# Altium PCB RabbitMask.PcbDoc (part 5 of 5) (continued)
## Nets (pads, with @x,y where several pads share a name; then routed paths per layer and width w, separated by ;. In a path a pad name is that pad's centre, name@x,y a point inside that pad or via, vN(x,y) a via of type N, cw(c..) or ccw(c..) an arc to the next point about the centre after c; other vN are vias at no path point) (continued)
B_DI277: U2_276.3 U2_277.4
B_DI278: U2_277.3 U2_278.4
B_DI279: U2_278.3 U2_279.4
B_DI280: U2_279.3 U2_280.4
B_DI281: U2_280.3 U2_281.4
B_DI282: U2_281.3 U2_282.4
B_DI283: U2_282.3 U2_283.4
B_DI284: U2_283.3 U2_284.4
B_DI285: U2_284.3 U2_285.4
B_DI286: U2_285.3 U2_286.4
B_DI287: U2_286.3 U2_287.4
B_DI288: U2_287.3 U2_288.4
B_DI289: U2_288.3 U2_289.4
B_DI290: U2_289.3 U2_290.4
B_DI291: U2_290.3 U2_291.4
B_DI292: U2_291.3 U2_292.4
B_DI293: U2_292.3 U2_293.4
B_DI294: U2_293.3 U2_294.4
B_DI295: U2_294.3 U2_295.4
B_DI296: U2_295.3 U2_296.4
B_DI297: U2_296.3 U2_297.4
B_DI298: U2_297.3 U2_298.4
B_DI299: U2_298.3 U2_299.4
B_DO299: U2_299.3
CI1: U1_1.5
CI2: U1_1.2 U1_2.5
CI3: U1_2.2 U1_3.5
CI4: U1_3.2 U1_4.5
CI5: U1_4.2 U1_5.5
CI6: U1_5.2 U1_6.5
CI7: U1_6.2 U1_7.5
CI8: U1_7.2 U1_8.5
CI9: U1_8.2 U1_9.5
CI10: U1_9.2 U1_10.5
CI11: U1_10.2 U1_11.5
CI12: U1_11.2 U1_12.5
CI13: U1_12.2 U1_13.5
CI14: U1_13.2 U1_14.5
CI15: U1_14.2 U1_15.5
CI16: U1_15.2 U1_16.5
CI17: U1_16.2 U1_17.5
CI18: U1_17.2 U1_18.5
CI19: U1_18.2 U1_19.5
CI20: U1_19.2 U1_20.5
CI21: U1_20.2 U1_21.5
CI22: U1_21.2 U1_22.5
CI23: U1_22.2 U1_23.5
CI24: U1_23.2 U1_24.5
CI25: U1_24.2 U1_25.5
CI26: U1_25.2 U1_26.5
CI27: U1_26.2 U1_27.5
CI28: U1_27.2 U1_28.5
CI29: U1_28.2 U1_29.5
CI30: U1_29.2 U1_30.5
CI31: U1_30.2 U1_31.5
CI32: U1_31.2 U1_32.5
CI33: U1_32.2 U1_33.5
CI34: U1_33.2 U1_34.5
CI35: U1_34.2 U1_35.5
CI36: U1_35.2 U1_36.5
CI37: U1_36.2 U1_37.5
CI38: U1_37.2 U1_38.5
CI39: U1_38.2 U1_39.5
CI40: U1_39.2 U1_40.5
CI41: U1_40.2 U1_41.5
CI42: U1_41.2 U1_42.5
CI43: U1_42.2 U1_43.5
CI44: U1_43.2 U1_44.5
CI45: U1_44.2 U1_45.5
CI46: U1_45.2 U1_46.5
CI47: U1_46.2 U1_47.5
CI48: U1_47.2 U1_48.5
CI49: U1_48.2 U1_49.5
CI50: U1_49.2 U1_50.5
CI51: U1_50.2 U1_51.5
CI52: U1_51.2 U1_52.5
CI53: U1_52.2 U1_53.5
CI54: U1_53.2 U1_54.5
CI55: U1_54.2 U1_55.5
CI56: U1_55.2 U1_56.5
CI57: U1_56.2 U1_57.5
CI58: U1_57.2 U1_58.5
CI59: U1_58.2 U1_59.5
CI60: U1_59.2 U1_60.5
CI61: U1_60.2 U1_61.5
CI62: U1_61.2 U1_62.5
CI63: U1_62.2 U1_63.5
CI64: U1_63.2 U1_64.5
CI65: U1_64.2 U1_65.5
CI66: U1_65.2 U1_66.5
CI67: U1_66.2 U1_67.5
CI68: U1_67.2 U1_68.5
CI69: U1_68.2 U1_69.5
CI70: U1_69.2 U1_70.5
CI71: U1_70.2 U1_71.5
CI72: U1_71.2 U1_72.5
CI73: U1_72.2 U1_73.5
CI74: U1_73.2 U1_74.5
CI75: U1_74.2 U1_75.5
CI76: U1_75.2 U1_76.5
CI77: U1_76.2 U1_77.5
CI78: U1_77.2 U1_78.5
CI79: U1_78.2 U1_79.5
CI80: U1_79.2 U1_80.5
CI81: U1_80.2 U1_81.5
CI82: U1_81.2 U1_82.5
CI83: U1_82.2 U1_83.5
CI84: U1_83.2 U1_84.5
CI85: U1_84.2 U1_85.5
CI86: U1_85.2 U1_86.5
CI87: U1_86.2 U1_87.5
CI88: U1_87.2 U1_88.5
CI89: U1_88.2 U1_89.5
CI90: U1_89.2 U1_90.5
CI91: U1_90.2 U1_91.5
CI92: U1_91.2 U1_92.5
CI93: U1_92.2 U1_93.5
CI94: U1_93.2 U1_94.5
CI95: U1_94.2 U1_95.5
CI96: U1_95.2 U1_96.5
CI97: U1_96.2 U1_97.5
CI98: U1_97.2 U1_98.5
CI99: U1_98.2 U1_99.5
CI100: U1_99.2 U1_100.5
CI101: U1_100.2 U1_101.5
CI102: U1_101.2 U1_102.5
CI103: U1_102.2 U1_103.5
CI104: U1_103.2 U1_104.5
CI105: U1_104.2 U1_105.5
CI106: U1_105.2 U1_106.5
CI107: U1_106.2 U1_107.5
CI108: U1_107.2 U1_108.5
CI109: U1_108.2 U1_109.5
CI110: U1_109.2 U1_110.5
CI111: U1_110.2 U1_111.5
CI112: U1_111.2 U1_112.5
CI113: U1_112.2 U1_113.5
CI114: U1_113.2 U1_114.5
CI115: U1_114.2 U1_115.5
CI116: U1_115.2 U1_116.5
CI117: U1_116.2 U1_117.5
CI118: U1_117.2 U1_118.5
CI119: U1_118.2 U1_119.5
CI120: U1_119.2 U1_120.5
CI121: U1_120.2 U1_121.5
CI122: U1_121.2 U1_122.5
CI123: U1_122.2 U1_123.5
CI124: U1_123.2 U1_124.5
CI125: U1_124.2 U1_125.5
CI126: U1_125.2 U1_126.5
CI127: U1_126.2 U1_127.5
CI128: U1_127.2 U1_128.5
CI129: U1_128.2 U1_129.5
CI130: U1_129.2 U1_130.5
CI131: U1_130.2 U1_131.5
CI132: U1_131.2 U1_132.5
CI133: U1_132.2 U1_133.5
CI134: U1_133.2 U1_134.5
CI135: U1_134.2 U1_135.5
CI136: U1_135.2 U1_136.5
CI137: U1_136.2 U1_137.5
CI138: U1_137.2 U1_138.5
CI139: U1_138.2 U1_139.5
CI140: U1_139.2 U1_140.5
CI141: U1_140.2 U1_141.5
CI142: U1_141.2 U1_142.5
CI143: U1_142.2 U1_143.5
CI144: U1_143.2 U1_144.5
CI145: U1_144.2 U1_145.5
CI146: U1_145.2 U1_146.5
CI147: U1_146.2 U1_147.5
CI148: U1_147.2 U1_148.5
CI149: U1_148.2 U1_149.5
CI150: U1_149.2 U1_150.5
CI151: U1_150.2 U1_151.5
CI152: U1_151.2 U1_152.5
CI153: U1_152.2 U1_153.5
CI154: U1_153.2 U1_154.5
CI155: U1_154.2 U1_155.5
CI156: U1_155.2 U1_156.5
CI157: U1_156.2 U1_157.5
CI158: U1_157.2 U1_158.5
CI159: U1_158.2 U1_159.5
CI160: U1_159.2 U1_160.5
CI161: U1_160.2 U1_161.5
CI162: U1_161.2 U1_162.5
CI163: U1_162.2 U1_163.5
CI164: U1_163.2 U1_164.5
CI165: U1_164.2 U1_165.5
CI166: U1_165.2 U1_166.5
CI167: U1_166.2 U1_167.5
CI168: U1_167.2 U1_168.5
CI169: U1_168.2 U1_169.5
CI170: U1_169.2 U1_170.5
CI171: U1_170.2 U1_171.5
CI172: U1_171.2 U1_172.5
CI173: U1_172.2 U1_173.5
CI174: U1_173.2 U1_174.5
CI175: U1_174.2 U1_175.5
CI176: U1_175.2 U1_176.5
CI177: U1_176.2 U1_177.5
CI178: U1_177.2 U1_178.5
CI179: U1_178.2 U1_179.5
CI180: U1_179.2 U1_180.5
CI181: U1_180.2 U1_181.5
CI182: U1_181.2 U1_182.5
CI183: U1_182.2 U1_183.5
CI184: U1_183.2 U1_184.5
CI185: U1_184.2 U1_185.5
CI186: U1_185.2 U1_186.5
CI187: U1_186.2 U1_187.5
CI188: U1_187.2 U1_188.5
CI189: U1_188.2 U1_189.5
CI190: U1_189.2 U1_190.5
CI191: U1_190.2 U1_191.5
CI192: U1_191.2 U1_192.5
CI193: U1_192.2 U1_193.5
CI194: U1_193.2 U1_194.5
CI195: U1_194.2 U1_195.5
CI196: U1_195.2 U1_196.5
CI197: U1_196.2 U1_197.5
CI198: U1_197.2 U1_198.5
CI199: U1_198.2 U1_199.5
CI200: U1_199.2 U1_200.5
CI201: U1_200.2 U1_201.5
CI202: U1_201.2 U1_202.5
CI203: U1_202.2 U1_203.5
CI204: U1_203.2 U1_204.5
CI205: U1_204.2 U1_205.5
CI206: U1_205.2 U1_206.5
CI207: U1_206.2 U1_207.5
CI208: U1_207.2 U1_208.5
CI209: U1_208.2 U1_209.5
CI210: U1_209.2 U1_210.5
CI211: U1_210.2 U1_211.5
CI212: U1_211.2 U1_212.5
CI213: U1_212.2 U1_213.5
CI214: U1_213.2 U1_214.5
CI215: U1_214.2 U1_215.5
CI216: U1_215.2 U1_216.5
CI217: U1_216.2 U1_217.5
CI218: U1_217.2 U1_218.5
CI219: U1_218.2 U1_219.5
CI220: U1_219.2 U1_220.5
CI221: U1_220.2 U1_221.5
CI222: U1_221.2 U1_222.5
CI223: U1_222.2 U1_223.5
CI224: U1_223.2 U1_224.5
CI225: U1_224.2 U1_225.5
CI226: U1_225.2 U1_226.5
CI227: U1_226.2 U1_227.5
CI228: U1_227.2 U1_228.5
CI229: U1_228.2 U1_229.5
CI230: U1_229.2 U1_230.5
CI231: U1_230.2 U1_231.5
CI232: U1_231.2 U1_232.5
CI233: U1_232.2 U1_233.5
CI234: U1_233.2 U1_234.5
CI235: U1_234.2 U1_235.5
CI236: U1_235.2 U1_236.5
CI237: U1_236.2 U1_237.5
CI238: U1_237.2 U1_238.5
CI239: U1_238.2 U1_239.5
CI240: U1_239.2 U1_240.5
CI241: U1_240.2 U1_241.5
CI242: U1_241.2 U1_242.5
CI243: U1_242.2 U1_243.5
CI244: U1_243.2 U1_244.5
CI245: U1_244.2 U1_245.5
CI246: U1_245.2 U1_246.5
CI247: U1_246.2 U1_247.5
CI248: U1_247.2 U1_248.5
CI249: U1_248.2 U1_249.5
CI250: U1_249.2 U1_250.5
CI251: U1_250.2 U1_251.5
CI252: U1_251.2 U1_252.5
CI253: U1_252.2 U1_253.5
CI254: U1_253.2 U1_254.5
CI255: U1_254.2 U1_255.5
CI256: U1_255.2 U1_256.5
CI257: U1_256.2 U1_257.5
CI258: U1_257.2 U1_258.5
CI259: U1_258.2 U1_259.5
CI260: U1_259.2 U1_260.5
CI261: U1_260.2 U1_261.5
CI262: U1_261.2 U1_262.5
CI263: U1_262.2 U1_263.5
CI264: U1_263.2 U1_264.5
CI265: U1_264.2 U1_265.5
CI266: U1_265.2 U1_266.5
CI267: U1_266.2 U1_267.5
CI268: U1_267.2 U1_268.5
CI269: U1_268.2 U1_269.5
CI270: U1_269.2 U1_270.5
CI271: U1_270.2 U1_271.5
CI272: U1_271.2 U1_272.5
CI273: U1_272.2 U1_273.5
CI274: U1_273.2 U1_274.5
CI275: U1_274.2 U1_275.5
CI276: U1_275.2 U1_276.5
CI277: U1_276.2 U1_277.5
CI278: U1_277.2 U1_278.5
CI279: U1_278.2 U1_279.5
CI280: U1_279.2 U1_280.5
CI281: U1_280.2 U1_281.5
CI282: U1_281.2 U1_282.5
CI283: U1_282.2 U1_283.5
CI284: U1_283.2 U1_284.5
CI285: U1_284.2 U1_285.5
CI286: U1_285.2 U1_286.5
CI287: U1_286.2 U1_287.5
CI288: U1_287.2 U1_288.5
CI289: U1_288.2 U1_289.5
CI290: U1_289.2 U1_290.5
CI291: U1_290.2 U1_291.5
CI292: U1_291.2 U1_292.5
CI293: U1_292.2 U1_293.5
CI294: U1_293.2 U1_294.5
CI295: U1_294.2 U1_295.5
CI296: U1_295.2 U1_296.5
CI297: U1_296.2 U1_297.5
CI298: U1_297.2 U1_298.5
CI299: U1_298.2 U1_299.5
CO299: U1_299.2
DI1: U1_1.4
DI2: U1_1.3 U1_2.4
DI3: U1_2.3 U1_3.4
DI4: U1_3.3 U1_4.4
DI5: U1_4.3 U1_5.4
DI6: U1_5.3 U1_6.4
DI7: U1_6.3 U1_7.4
DI8: U1_7.3 U1_8.4
DI9: U1_8.3 U1_9.4
DI10: U1_9.3 U1_10.4
DI11: U1_10.3 U1_11.4
DI12: U1_11.3 U1_12.4
DI13: U1_12.3 U1_13.4
DI14: U1_13.3 U1_14.4
DI15: U1_14.3 U1_15.4
DI16: U1_15.3 U1_16.4
DI17: U1_16.3 U1_17.4
DI18: U1_17.3 U1_18.4
DI19: U1_18.3 U1_19.4
DI20: U1_19.3 U1_20.4
DI21: U1_20.3 U1_21.4
DI22: U1_21.3 U1_22.4
DI23: U1_22.3 U1_23.4
DI24: U1_23.3 U1_24.4
DI25: U1_24.3 U1_25.4
DI26: U1_25.3 U1_26.4
DI27: U1_26.3 U1_27.4
DI28: U1_27.3 U1_28.4
DI29: U1_28.3 U1_29.4
DI30: U1_29.3 U1_30.4
DI31: U1_30.3 U1_31.4
DI32: U1_31.3 U1_32.4
DI33: U1_32.3 U1_33.4
DI34: U1_33.3 U1_34.4
DI35: U1_34.3 U1_35.4
DI36: U1_35.3 U1_36.4
DI37: U1_36.3 U1_37.4
DI38: U1_37.3 U1_38.4
DI39: U1_38.3 U1_39.4
DI40: U1_39.3 U1_40.4
DI41: U1_40.3 U1_41.4
DI42: U1_41.3 U1_42.4
DI43: U1_42.3 U1_43.4
DI44: U1_43.3 U1_44.4
DI45: U1_44.3 U1_45.4
DI46: U1_45.3 U1_46.4
DI47: U1_46.3 U1_47.4
DI48: U1_47.3 U1_48.4
DI49: U1_48.3 U1_49.4
DI50: U1_49.3 U1_50.4
DI51: U1_50.3 U1_51.4
DI52: U1_51.3 U1_52.4
DI53: U1_52.3 U1_53.4
DI54: U1_53.3 U1_54.4
DI55: U1_54.3 U1_55.4
DI56: U1_55.3 U1_56.4
DI57: U1_56.3 U1_57.4
DI58: U1_57.3 U1_58.4
DI59: U1_58.3 U1_59.4
DI60: U1_59.3 U1_60.4
DI61: U1_60.3 U1_61.4
DI62: U1_61.3 U1_62.4
DI63: U1_62.3 U1_63.4
DI64: U1_63.3 U1_64.4
DI65: U1_64.3 U1_65.4
DI66: U1_65.3 U1_66.4
DI67: U1_66.3 U1_67.4
DI68: U1_67.3 U1_68.4
DI69: U1_68.3 U1_69.4
DI70: U1_69.3 U1_70.4
DI71: U1_70.3 U1_71.4
DI72: U1_71.3 U1_72.4
DI73: U1_72.3 U1_73.4
DI74: U1_73.3 U1_74.4
DI75: U1_74.3 U1_75.4
DI76: U1_75.3 U1_76.4
DI77: U1_76.3 U1_77.4
DI78: U1_77.3 U1_78.4
DI79: U1_78.3 U1_79.4
DI80: U1_79.3 U1_80.4
DI81: U1_80.3 U1_81.4
DI82: U1_81.3 U1_82.4
DI83: U1_82.3 U1_83.4
DI84: U1_83.3 U1_84.4
DI85: U1_84.3 U1_85.4
DI86: U1_85.3 U1_86.4
DI87: U1_86.3 U1_87.4
DI88: U1_87.3 U1_88.4
DI89: U1_88.3 U1_89.4
DI90: U1_89.3 U1_90.4
DI91: U1_90.3 U1_91.4
DI92: U1_91.3 U1_92.4
DI93: U1_92.3 U1_93.4
DI94: U1_93.3 U1_94.4
DI95: U1_94.3 U1_95.4
DI96: U1_95.3 U1_96.4
DI97: U1_96.3 U1_97.4
DI98: U1_97.3 U1_98.4
DI99: U1_98.3 U1_99.4
DI100: U1_99.3 U1_100.4
DI101: U1_100.3 U1_101.4
DI102: U1_101.3 U1_102.4
DI103: U1_102.3 U1_103.4
DI104: U1_103.3 U1_104.4
DI105: U1_104.3 U1_105.4
DI106: U1_105.3 U1_106.4
DI107: U1_106.3 U1_107.4
DI108: U1_107.3 U1_108.4
DI109: U1_108.3 U1_109.4
DI110: U1_109.3 U1_110.4
DI111: U1_110.3 U1_111.4
DI112: U1_111.3 U1_112.4
DI113: U1_112.3 U1_113.4
DI114: U1_113.3 U1_114.4
DI115: U1_114.3 U1_115.4
DI116: U1_115.3 U1_116.4
DI117: U1_116.3 U1_117.4
DI118: U1_117.3 U1_118.4
DI119: U1_118.3 U1_119.4
DI120: U1_119.3 U1_120.4
DI121: U1_120.3 U1_121.4
DI122: U1_121.3 U1_122.4
DI123: U1_122.3 U1_123.4
DI124: U1_123.3 U1_124.4
DI125: U1_124.3 U1_125.4
DI126: U1_125.3 U1_126.4
DI127: U1_126.3 U1_127.4
DI128: U1_127.3 U1_128.4
DI129: U1_128.3 U1_129.4
DI130: U1_129.3 U1_130.4
DI131: U1_130.3 U1_131.4
DI132: U1_131.3 U1_132.4
DI133: U1_132.3 U1_133.4
DI134: U1_133.3 U1_134.4
DI135: U1_134.3 U1_135.4
DI136: U1_135.3 U1_136.4
DI137: U1_136.3 U1_137.4
DI138: U1_137.3 U1_138.4
DI139: U1_138.3 U1_139.4
DI140: U1_139.3 U1_140.4
DI141: U1_140.3 U1_141.4
DI142: U1_141.3 U1_142.4
DI143: U1_142.3 U1_143.4
DI144: U1_143.3 U1_144.4
DI145: U1_144.3 U1_145.4
DI146: U1_145.3 U1_146.4
DI147: U1_146.3 U1_147.4
DI148: U1_147.3 U1_148.4
DI149: U1_148.3 U1_149.4
DI150: U1_149.3 U1_150.4
DI151: U1_150.3 U1_151.4
DI152: U1_151.3 U1_152.4
DI153: U1_152.3 U1_153.4
DI154: U1_153.3 U1_154.4
DI155: U1_154.3 U1_155.4
DI156: U1_155.3 U1_156.4
DI157: U1_156.3 U1_157.4
DI158: U1_157.3 U1_158.4
DI159: U1_158.3 U1_159.4
DI160: U1_159.3 U1_160.4
DI161: U1_160.3 U1_161.4
DI162: U1_161.3 U1_162.4
DI163: U1_162.3 U1_163.4
DI164: U1_163.3 U1_164.4
DI165: U1_164.3 U1_165.4
DI166: U1_165.3 U1_166.4
DI167: U1_166.3 U1_167.4
DI168: U1_167.3 U1_168.4
DI169: U1_168.3 U1_169.4
DI170: U1_169.3 U1_170.4
DI171: U1_170.3 U1_171.4
DI172: U1_171.3 U1_172.4
DI173: U1_172.3 U1_173.4
DI174: U1_173.3 U1_174.4
DI175: U1_174.3 U1_175.4
DI176: U1_175.3 U1_176.4
DI177: U1_176.3 U1_177.4
DI178: U1_177.3 U1_178.4
DI179: U1_178.3 U1_179.4
DI180: U1_179.3 U1_180.4
DI181: U1_180.3 U1_181.4
DI182: U1_181.3 U1_182.4
DI183: U1_182.3 U1_183.4
DI184: U1_183.3 U1_184.4
DI185: U1_184.3 U1_185.4
DI186: U1_185.3 U1_186.4
DI187: U1_186.3 U1_187.4
DI188: U1_187.3 U1_188.4
DI189: U1_188.3 U1_189.4
DI190: U1_189.3 U1_190.4
DI191: U1_190.3 U1_191.4
DI192: U1_191.3 U1_192.4
DI193: U1_192.3 U1_193.4
DI194: U1_193.3 U1_194.4
DI195: U1_194.3 U1_195.4
DI196: U1_195.3 U1_196.4
DI197: U1_196.3 U1_197.4
DI198: U1_197.3 U1_198.4
DI199: U1_198.3 U1_199.4
DI200: U1_199.3 U1_200.4
DI201: U1_200.3 U1_201.4
DI202: U1_201.3 U1_202.4
DI203: U1_202.3 U1_203.4
DI204: U1_203.3 U1_204.4
DI205: U1_204.3 U1_205.4
DI206: U1_205.3 U1_206.4
DI207: U1_206.3 U1_207.4
DI208: U1_207.3 U1_208.4
DI209: U1_208.3 U1_209.4
DI210: U1_209.3 U1_210.4
DI211: U1_210.3 U1_211.4
DI212: U1_211.3 U1_212.4
DI213: U1_212.3 U1_213.4
DI214: U1_213.3 U1_214.4
DI215: U1_214.3 U1_215.4
DI216: U1_215.3 U1_216.4
DI217: U1_216.3 U1_217.4
DI218: U1_217.3 U1_218.4
DI219: U1_218.3 U1_219.4
DI220: U1_219.3 U1_220.4
DI221: U1_220.3 U1_221.4
DI222: U1_221.3 U1_222.4
DI223: U1_222.3 U1_223.4
DI224: U1_223.3 U1_224.4
DI225: U1_224.3 U1_225.4
DI226: U1_225.3 U1_226.4
DI227: U1_226.3 U1_227.4
DI228: U1_227.3 U1_228.4
DI229: U1_228.3 U1_229.4
DI230: U1_229.3 U1_230.4
DI231: U1_230.3 U1_231.4
DI232: U1_231.3 U1_232.4
DI233: U1_232.3 U1_233.4
DI234: U1_233.3 U1_234.4
DI235: U1_234.3 U1_235.4
DI236: U1_235.3 U1_236.4
DI237: U1_236.3 U1_237.4
DI238: U1_237.3 U1_238.4
DI239: U1_238.3 U1_239.4
DI240: U1_239.3 U1_240.4
DI241: U1_240.3 U1_241.4
DI242: U1_241.3 U1_242.4
DI243: U1_242.3 U1_243.4
DI244: U1_243.3 U1_244.4
DI245: U1_244.3 U1_245.4
DI246: U1_245.3 U1_246.4
DI247: U1_246.3 U1_247.4
DI248: U1_247.3 U1_248.4
DI249: U1_248.3 U1_249.4
DI250: U1_249.3 U1_250.4
DI251: U1_250.3 U1_251.4
DI252: U1_251.3 U1_252.4
DI253: U1_252.3 U1_253.4
DI254: U1_253.3 U1_254.4
DI255: U1_254.3 U1_255.4
DI256: U1_255.3 U1_256.4
DI257: U1_256.3 U1_257.4
DI258: U1_257.3 U1_258.4
DI259: U1_258.3 U1_259.4
DI260: U1_259.3 U1_260.4
DI261: U1_260.3 U1_261.4
DI262: U1_261.3 U1_262.4
DI263: U1_262.3 U1_263.4
DI264: U1_263.3 U1_264.4
DI265: U1_264.3 U1_265.4
DI266: U1_265.3 U1_266.4
DI267: U1_266.3 U1_267.4
DI268: U1_267.3 U1_268.4
DI269: U1_268.3 U1_269.4
DI270: U1_269.3 U1_270.4
DI271: U1_270.3 U1_271.4
DI272: U1_271.3 U1_272.4
DI273: U1_272.3 U1_273.4
DI274: U1_273.3 U1_274.4
DI275: U1_274.3 U1_275.4
DI276: U1_275.3 U1_276.4
DI277: U1_276.3 U1_277.4
DI278: U1_277.3 U1_278.4
DI279: U1_278.3 U1_279.4
DI280: U1_279.3 U1_280.4
DI281: U1_280.3 U1_281.4
DI282: U1_281.3 U1_282.4
DI283: U1_282.3 U1_283.4
DI284: U1_283.3 U1_284.4
DI285: U1_284.3 U1_285.4
DI286: U1_285.3 U1_286.4
DI287: U1_286.3 U1_287.4
DI288: U1_287.3 U1_288.4
DI289: U1_288.3 U1_289.4
DI290: U1_289.3 U1_290.4
DI291: U1_290.3 U1_291.4
DI292: U1_291.3 U1_292.4
DI293: U1_292.3 U1_293.4
DI294: U1_293.3 U1_294.4
DI295: U1_294.3 U1_295.4
DI296: U1_295.3 U1_296.4
DI297: U1_296.3 U1_297.4
DI298: U1_297.3 U1_298.4
DI299: U1_298.3 U1_299.4
DO299: U1_299.3
GND: U1_1.6 U1_2.6 U1_3.6 U1_4.6 U1_5.6 U1_6.6 U1_7.6 U1_8.6 U1_9.6 U1_10.6 U1_11.6 U1_12.6 U1_13.6 U1_14.6 U1_15.6 U1_16.6 U1_17.6 U1_18.6 U1_19.6 U1_20.6 U1_21.6 U1_22.6 U1_23.6 U1_24.6 U1_25.6 U1_26.6 U1_27.6 U1_28.6 U1_29.6 U1_30.6 U1_31.6 U1_32.6 U1_33.6 U1_34.6 U1_35.6 U1_36.6 U1_37.6 U1_38.6 U1_39.6 U1_40.6 U1_41.6 U1_42.6 U1_43.6 U1_44.6 U1_45.6 U1_46.6 U1_47.6 U1_48.6 U1_49.6 U1_50.6 U1_51.6 U1_52.6 U1_53.6 U1_54.6 U1_55.6 U1_56.6 U1_57.6 U1_58.6 U1_59.6 U1_60.6 U1_61.6 U1_62.6 U1_63.6 U1_64.6 U1_65.6 U1_66.6 U1_67.6 U1_68.6 U1_69.6 U1_70.6 U1_71.6 U1_72.6 U1_73.6 U1_74.6 U1_75.6 U1_76.6 U1_77.6 U1_78.6 U1_79.6 U1_80.6 U1_81.6 U1_82.6 U1_83.6 U1_84.6 U1_85.6 U1_86.6 U1_87.6 U1_88.6 U1_89.6 U1_90.6 U1_91.6 U1_92.6 U1_93.6 U1_94.6 U1_95.6 U1_96.6 U1_97.6 U1_98.6 U1_99.6 U1_100.6 U1_101.6 U1_102.6 U1_103.6 U1_104.6 U1_105.6 U1_106.6 U1_107.6 U1_108.6 U1_109.6 U1_110.6 U1_111.6 U1_112.6 U1_113.6 U1_114.6 U1_115.6 U1_116.6 U1_117.6 U1_118.6 U1_119.6 U1_120.6 U1_121.6 U1_122.6 U1_123.6 U1_124.6 U1_125.6 U1_126.6 U1_127.6 U1_128.6 U1_129.6 U1_130.6 U1_131.6 U1_132.6 U1_133.6 U1_134.6 U1_135.6 U1_136.6 U1_137.6 U1_138.6 U1_139.6 U1_140.6 U1_141.6 U1_142.6 U1_143.6 U1_144.6 U1_145.6 U1_146.6 U1_147.6 U1_148.6 U1_149.6 U1_150.6 U1_151.6 U1_152.6 U1_153.6 U1_154.6 U1_155.6 U1_156.6 U1_157.6 U1_158.6 U1_159.6 U1_160.6 U1_161.6 U1_162.6 U1_163.6 U1_164.6 U1_165.6 U1_166.6 U1_167.6 U1_168.6 U1_169.6 U1_170.6 U1_171.6 U1_172.6 U1_173.6 U1_174.6 U1_175.6 U1_176.6 U1_177.6 U1_178.6 U1_179.6 U1_180.6 U1_181.6 U1_182.6 U1_183.6 U1_184.6 U1_185.6 U1_186.6 U1_187.6 U1_188.6 U1_189.6 U1_190.6 U1_191.6 U1_192.6 U1_193.6 U1_194.6 U1_195.6 U1_196.6 U1_197.6 U1_198.6 U1_199.6 U1_200.6 U1_201.6 U1_202.6 U1_203.6 U1_204.6 U1_205.6 U1_206.6 U1_207.6 U1_208.6 U1_209.6 U1_210.6 U1_211.6 U1_212.6 U1_213.6 U1_214.6 U1_215.6 U1_216.6 U1_217.6 U1_218.6 U1_219.6 U1_220.6 U1_221.6 U1_222.6 U1_223.6 U1_224.6 U1_225.6 U1_226.6 U1_227.6 U1_228.6 U1_229.6 U1_230.6 U1_231.6 U1_232.6 U1_233.6 U1_234.6 U1_235.6 U1_236.6 U1_237.6 U1_238.6 U1_239.6 U1_240.6 U1_241.6 U1_242.6 U1_243.6 U1_244.6 U1_245.6 U1_246.6 U1_247.6 U1_248.6 U1_249.6 U1_250.6 U1_251.6 U1_252.6 U1_253.6 U1_254.6 U1_255.6 U1_256.6 U1_257.6 U1_258.6 U1_259.6 U1_260.6 U1_261.6 U1_262.6 U1_263.6 U1_264.6 U1_265.6 U1_266.6 U1_267.6 U1_268.6 U1_269.6 U1_270.6 U1_271.6 U1_272.6 U1_273.6 U1_274.6 U1_275.6 U1_276.6 U1_277.6 U1_278.6 U1_279.6 U1_280.6 U1_281.6 U1_282.6 U1_283.6 U1_284.6 U1_285.6 U1_286.6 U1_287.6 U1_288.6 U1_289.6 U1_290.6 U1_291.6 U1_292.6 U1_293.6 U1_294.6 U1_295.6 U1_296.6 U1_297.6 U1_298.6 U1_299.6 U2_1.6 U2_2.6 U2_3.6 U2_4.6 U2_5.6 U2_6.6 U2_7.6 U2_8.6 U2_9.6 U2_10.6 U2_11.6 U2_12.6 U2_13.6 U2_14.6 U2_15.6 U2_16.6 U2_17.6 U2_18.6 U2_19.6 U2_20.6 U2_21.6 U2_22.6 U2_23.6 U2_24.6 U2_25.6 U2_26.6 U2_27.6 U2_28.6 U2_29.6 U2_30.6 U2_31.6 U2_32.6 U2_33.6 U2_34.6 U2_35.6 U2_36.6 U2_37.6 U2_38.6 U2_39.6 U2_40.6 U2_41.6 U2_42.6 U2_43.6 U2_44.6 U2_45.6 U2_46.6 U2_47.6 U2_48.6 U2_49.6 U2_50.6 U2_51.6 U2_52.6 U2_53.6 U2_54.6 U2_55.6 U2_56.6 U2_57.6 U2_58.6 U2_59.6 U2_60.6 U2_61.6 U2_62.6 U2_63.6 U2_64.6 U2_65.6 U2_66.6 U2_67.6 U2_68.6 U2_69.6 U2_70.6 U2_71.6 U2_72.6 U2_73.6 U2_74.6 U2_75.6 U2_76.6 U2_77.6 U2_78.6 U2_79.6 U2_80.6 U2_81.6 U2_82.6 U2_83.6 U2_84.6 U2_85.6 U2_86.6 U2_87.6 U2_88.6 U2_89.6 U2_90.6 U2_91.6 U2_92.6 U2_93.6 U2_94.6 U2_95.6 U2_96.6 U2_97.6 U2_98.6 U2_99.6 U2_100.6 U2_101.6 U2_102.6 U2_103.6 U2_104.6 U2_105.6 U2_106.6 U2_107.6 U2_108.6 U2_109.6 U2_110.6 U2_111.6 U2_112.6 U2_113.6 U2_114.6 U2_115.6 U2_116.6 U2_117.6 U2_118.6 U2_119.6 U2_120.6 U2_121.6 U2_122.6 U2_123.6 U2_124.6 U2_125.6 U2_126.6 U2_127.6 U2_128.6 U2_129.6 U2_130.6 U2_131.6 U2_132.6 U2_133.6 U2_134.6 U2_135.6 U2_136.6 U2_137.6 U2_138.6 U2_139.6 U2_140.6 U2_141.6 U2_142.6 U2_143.6 U2_144.6 U2_145.6 U2_146.6 U2_147.6 U2_148.6 U2_149.6 U2_150.6 U2_151.6 U2_152.6 U2_153.6 U2_154.6 U2_155.6 U2_156.6 U2_157.6 U2_158.6 U2_159.6 U2_160.6 U2_161.6 U2_162.6 U2_163.6 U2_164.6 U2_165.6 U2_166.6 U2_167.6 U2_168.6 U2_169.6 U2_170.6 U2_171.6 U2_172.6 U2_173.6 U2_174.6 U2_175.6 U2_176.6 U2_177.6 U2_178.6 U2_179.6 U2_180.6 U2_181.6 U2_182.6 U2_183.6 U2_184.6 U2_185.6 U2_186.6 U2_187.6 U2_188.6 U2_189.6 U2_190.6 U2_191.6 U2_192.6 U2_193.6 U2_194.6 U2_195.6 U2_196.6 U2_197.6 U2_198.6 U2_199.6 U2_200.6 U2_201.6 U2_202.6 U2_203.6 U2_204.6 U2_205.6 U2_206.6 U2_207.6 U2_208.6 U2_209.6 U2_210.6 U2_211.6 U2_212.6 U2_213.6 U2_214.6 U2_215.6 U2_216.6 U2_217.6 U2_218.6 U2_219.6 U2_220.6 U2_221.6 U2_222.6 U2_223.6 U2_224.6 U2_225.6 U2_226.6 U2_227.6 U2_228.6 U2_229.6 U2_230.6 U2_231.6 U2_232.6 U2_233.6 U2_234.6 U2_235.6 U2_236.6 U2_237.6 U2_238.6 U2_239.6 U2_240.6 U2_241.6 U2_242.6 U2_243.6 U2_244.6 U2_245.6 U2_246.6 U2_247.6 U2_248.6 U2_249.6 U2_250.6 U2_251.6 U2_252.6 U2_253.6 U2_254.6 U2_255.6 U2_256.6 U2_257.6 U2_258.6 U2_259.6 U2_260.6 U2_261.6 U2_262.6 U2_263.6 U2_264.6 U2_265.6 U2_266.6 U2_267.6 U2_268.6 U2_269.6 U2_270.6 U2_271.6 U2_272.6 U2_273.6 U2_274.6 U2_275.6 U2_276.6 U2_277.6 U2_278.6 U2_279.6 U2_280.6 U2_281.6 U2_282.6 U2_283.6 U2_284.6 U2_285.6 U2_286.6 U2_287.6 U2_288.6 U2_289.6 U2_290.6 U2_291.6 U2_292.6 U2_293.6 U2_294.6 U2_295.6 U2_296.6 U2_297.6 U2_298.6 U2_299.6

## Polygon pours and split planes (outlines as drawn)
5V on Bottom Layer "NONET_L03_P-001" (solid, shelved, pour order 2): 97.239,138.653 102.086,69.143 171.114,69.147 163.053,140.515
GND on Top Layer "NONET_L03_P-001" (solid, shelved, pour order 3): 97.239,138.653 102.086,69.143 171.114,69.147 163.053,140.515

## Silkscreen, mask and mechanical layers (free items; w line width, h text height)
LED origins:
  drawing of 2983 lines, arcs and shapes, not listed
Board Shape:
  drawing of 1477 lines, arcs and shapes, not listed